# Altium PCB MB1292.PcbDoc (part 1 of 4) (continued)
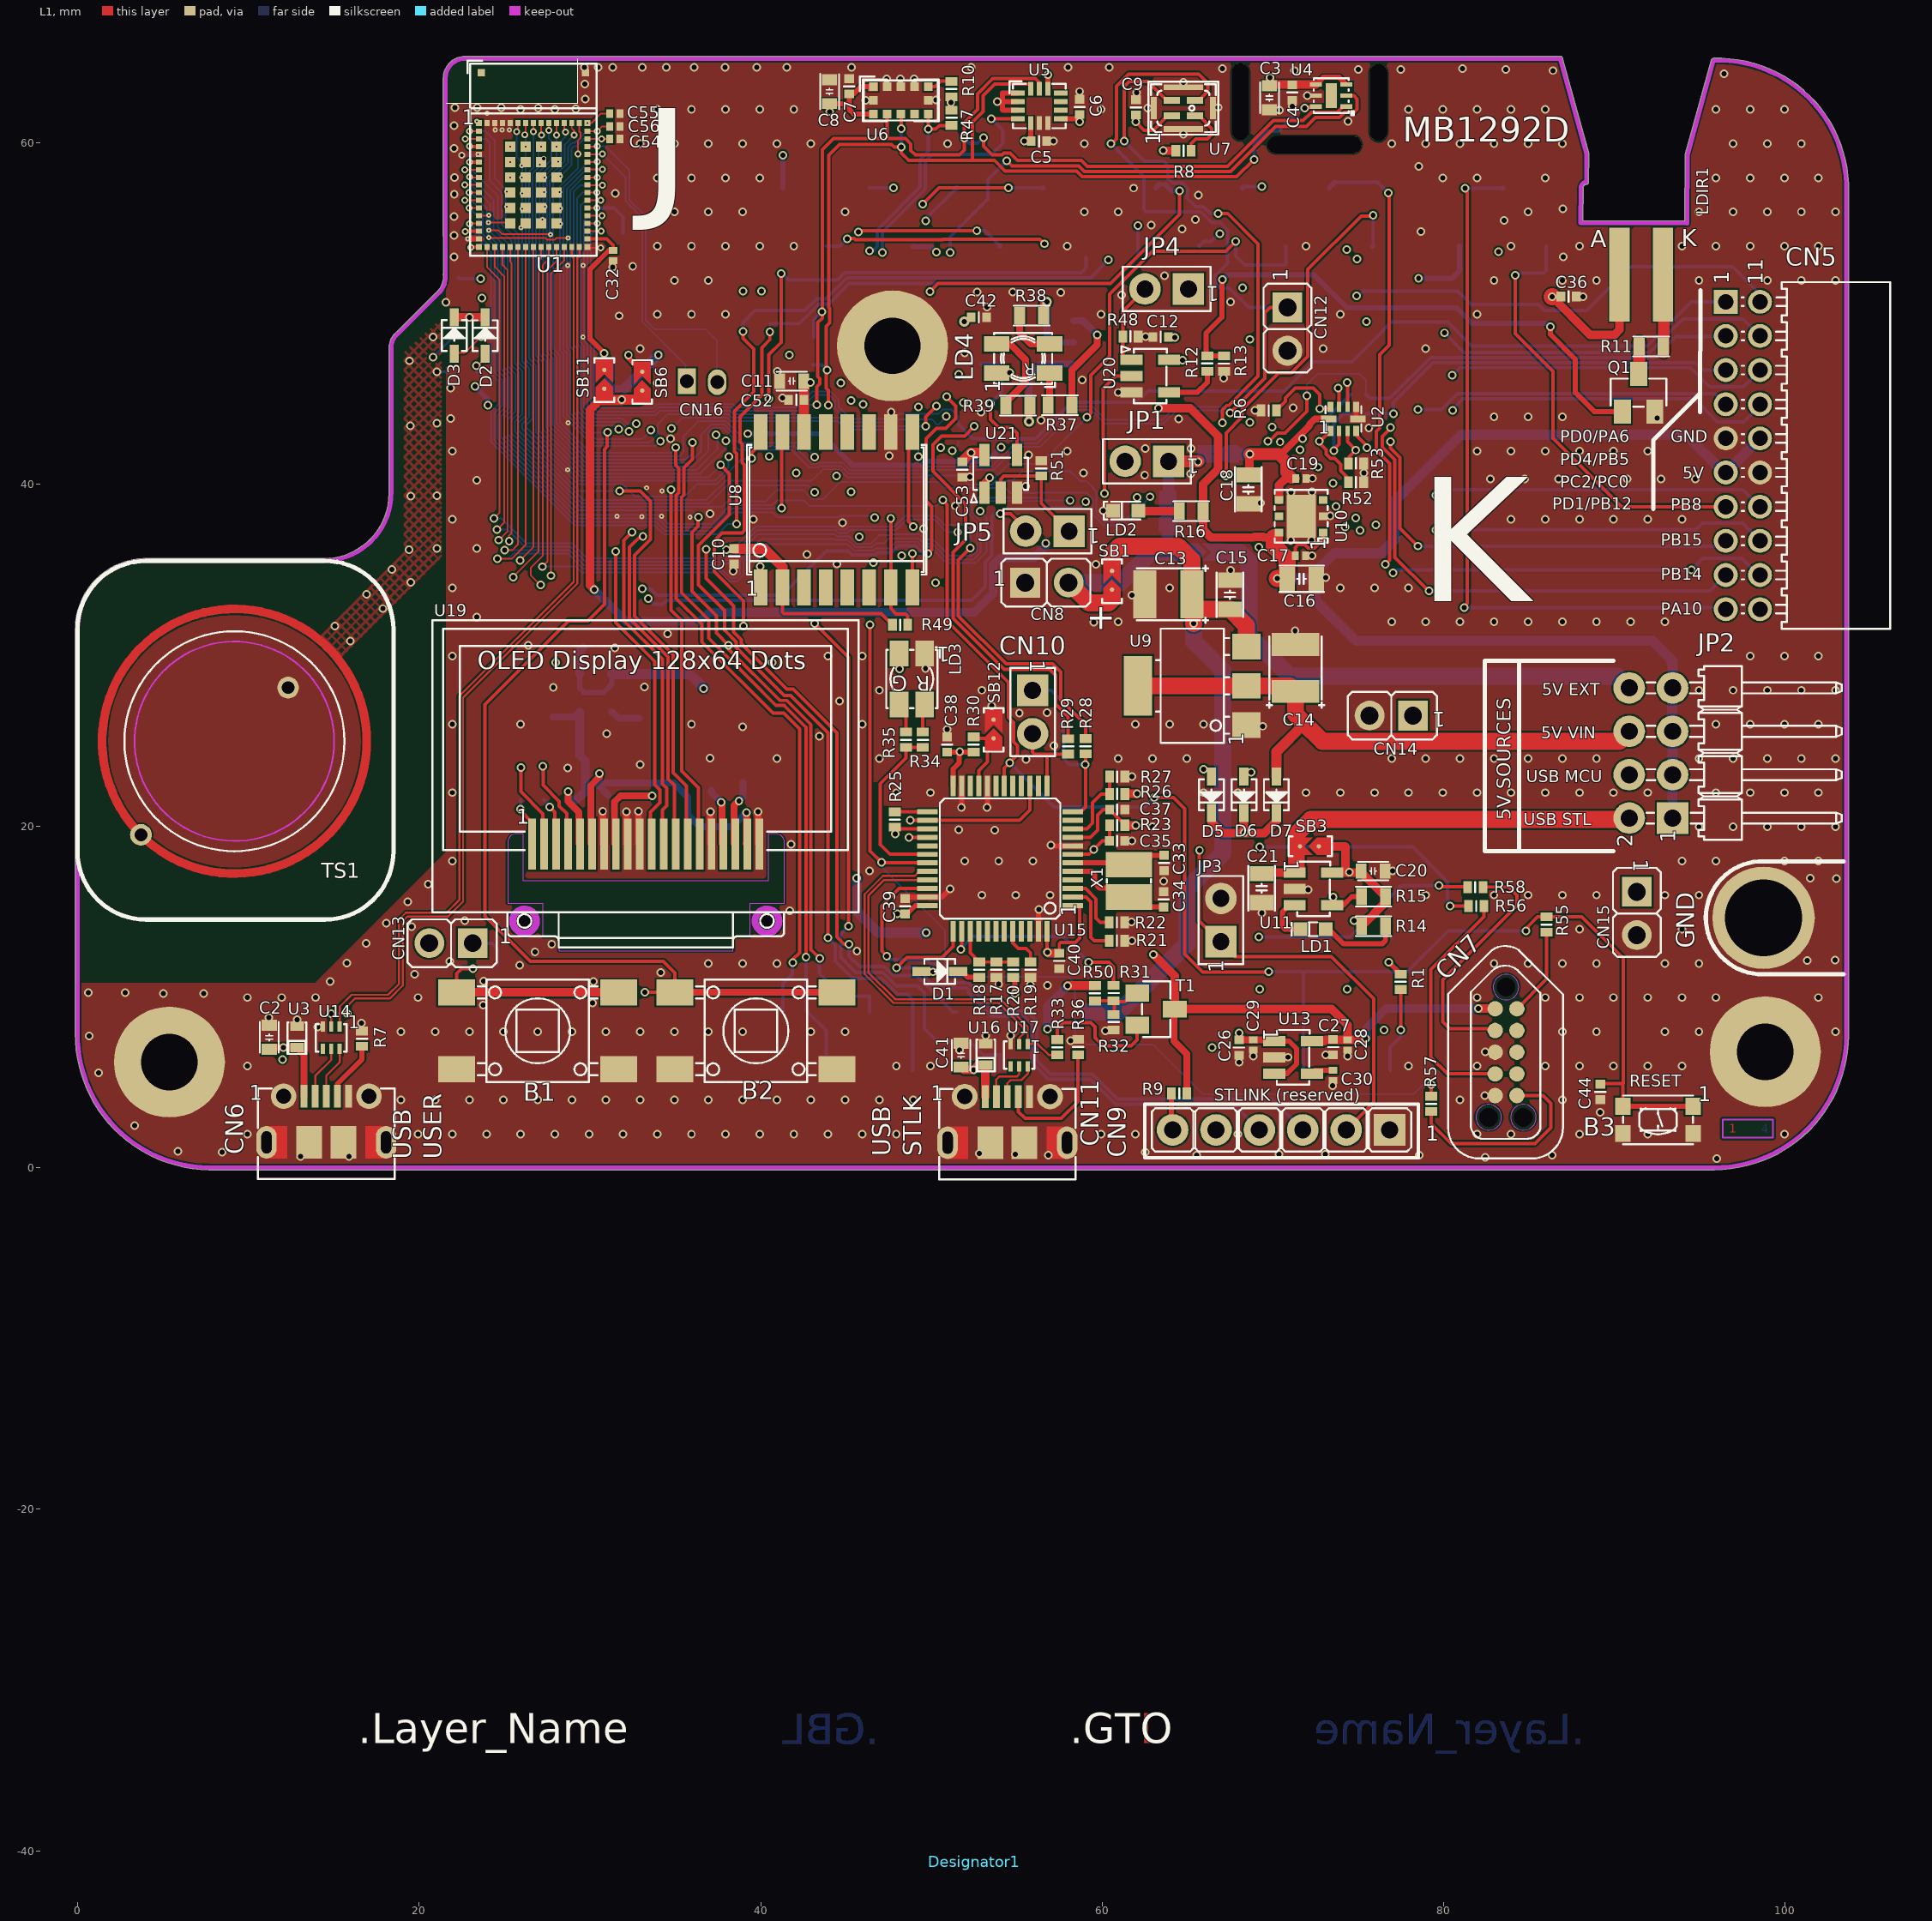
[diagram p0: L1 view]
## Components (designator, comment, footprint, x,y, rotation, side; value= is the part's Value field where it differs from the comment) (continued)
R50 "Resistor" R0402 59.575,10.204 r90 top value=10K
R51 "Resistor" R0402 56.432,40.942 r270 top value=10K
R52 "Resistor" R0402 74.865,40.133 r180 top value=10K
R53 "Resistor" R0402 74.865,41.23 r180 top value=10K
R54 "Resistor" R0402 25.036,11.874 r180 bottom value=10K
R55 "Resistor" R0402 86.023,14.23 r90 top value=22R
R56 "Resistor" R0402 81.904,15.317 r180 top value=22R
R57 "Resistor" R0402 79.269,3.73 r270 top value=22R
R58 "Resistor" R0402 81.847,16.416 r180 top value=22R
SB1 "SB_OFF" SOLDER-BRIDGE_R0603-0R#1 60.575,34.337 r90 top
SB2 "SB_ON" SOLDER-BRIDGE_R0603-0R#1 66.801,41.786 r180 bottom
SB3 "SB_OFF" SOLDER-BRIDGE_R0603-0R#1 72.184,18.81 r180 top
SB4 "SB_OFF" SOLDER-BRIDGE_R0603-0R#1 66.016,36.03 r0 bottom
SB5 "SB_OFF" SOLDER-BRIDGE_R0603-0R#1 63.847,38.412 r90 bottom
SB6 "SB_ON" SOLDER-BRIDGE_R0603-0R#1 33.068,45.998 r90 top
SB10 "SB_OFF" SOLDER-BRIDGE_R0603-0R#1 30.937,46.213 r90 bottom
SB11 "SB_ON" SOLDER-BRIDGE_R0603-0R#1 30.846,46.104 r90 top
SB12 "SB_OFF" SOLDER-BRIDGE_R0603-0R#2 53.641,25.626 r90 top
T1 "9013-SOT23" NPN_SOT23 63.155,9.278 r270 top value="NPN SOT23"
TS1 "TS_PAD" TSB_TOUCH-SENSING-BUTTON_TS-PAD-10_SHIELD-14_2 9.188,24.963 r45 top
U1 "STM32WB5MMGH6TR" MOD_DORY_STM_86P_7P3X11_H1P342_Ref2 26.69,59.083 r0 top locked
U2 "TMUX136" ICC_UQFN10_RSE_R-PUQFN-N10_1P5X2_P050 74.125,43.84 r90 top
U3 "ESD-TRANSIL" ESD_QFN2_1P6X1_P125 12.848,7.651 r90 top value=ESDA7P60-1U1M
U4 "STTS22H" ICC_UDFN6-EPAD_2X2_P065 73.413,62.767 r90 top
U5 "ISM330DHCX" ICC_LGA14_3X2P5_P050 56.318,62.159 r0 top
U6 "VL53L0CXV0DH/1" OPT_TOF_ST_VL53L0X_LGA12_4P4X2P4_P080 48.207,62.488 r0 top
U7 "IMP34DT05TR" MIC_HCLGA_3X4X1_4LD 64.752,62.032 r270 top
U8 "S25FL128SDSMFV001" ICC_SOIC16_10P30X7P50_P127_H2P65 44.446,38.521 r0 top
U9 "LD1117S50TR" REG_SOT223-TAB 65.275,28.208 r90 top
U10 "LD39050PU33R" ICC_DFN6-EPAD_3X3_P095 71.651,38.14 r90 top
U11 "STMPS2141STR" MOS_SOT23-5L 72.37,16.321 r270 top
U12 "LP2985IM5-3.6/NOPB" REG_SOT23-5L 30.349,27.793 r0 bottom
U13 "LD3985M33R" REG_SOT23-5L 71.178,6.458 r270 top
U14 "ECMF02-2AMX6" ESD_QFN-6L_1P7X1P5_P050 14.855,7.6 r180 top
U15 "STM32F103CBT6" ICC_LQFP48_7X7_P050 54.022,18.091 r90 top
U16 "ESD-TRANSIL" ESD_QFN2_1P6X1_P125 53.184,6.635 r90 top value=ESDA7P60-1U1M
U17 "ECMF02-2AMX6" ESD_QFN-6L_1P7X1P5_P050 55.139,6.584 r180 top
U18 "TLC59731" ICC_SOIC8_3P91X4P90_P127_H1P75 55.624,47.682 r180 bottom value=TLC59731DR
U19 "OLED_RITDISPLAY_9OL9935718000" OLED_RITDISPLAY_9OL9935718000 26.175,14.439 r0 top value=9OL9935718000
U20 "SN74AHC1G08DBVT" ICC_SOT23-5L_H1P45 62.811,46.347 r270 top
U21 "SN74AHC1G08DBVT" ICC_SOT23-5L_H1P45 54.052,40.623 r0 top
X1 "XTAL_2_PINS" CRY_NX3225GD_2P 61.566,16.785 r90 top value="NX3225GD 8MHz"

## Footprints (in the part's own frame and the unit in brackets; to place one, negate y for a bottom-side part, rotate by r counter-clockwise, add the part's x,y. Pads: shape width x height; smd on the part's side, far side on the other; paste and mask are expansions set on the pad)
C0201_H0P3 [mm] "MCD-00699"
  rect 0.4x0.5 smd mask+0.05: 1(-0.3,0) 2(0.3,0)
  body extent -0.32,-0.17 0.32,0.17, height 0.33
C0402 [mm]
  rect 0.51x0.56 smd mask+0.05: 1(-0.45,0) 2(0.45,0)
  silkscreen extent 0,-0.3 0,0.3, body extent -0.5,-0.3 0.5,0.3, height 0.4
C0603 [mm]
  rect 0.64x0.89 smd mask+0.05: 1(-0.7,0) 2(0.7,0)
  silkscreen extent -1.05,-0.55 1.02,0.55, body extent -0.9,-0.5 0.9,0.5, height 1.4
C0603_H0P8 [mm] "MCD-01540"
  rect 0.64x0.89 smd mask+0.05: 1(-0.7,0) 2(0.7,0)
  silkscreen extent -0.9,-0.55 0.9,0.55, body extent -0.9,-0.5 0.9,0.5, height 1
C0805_H0P85 [mm] "MCD-01525"
  rect 0.9x1.4 smd mask+0.05: 1(-0.85,0) 2(0.85,0)
  silkscreen extent -1.3,-0.77 1.3,0.77, body extent -1.1,-0.73 1.1,0.73, height 0.95
C0805_KEMET_IPC-7351_DENSITY-LEVEL-B_H1P25 [mm] "MCD-02040"
  rect 1.15x1.45 smd mask+0.05: 1(-0.9,0) 2(0.9,0)
  silkscreen extent -1.1,-0.85 1.1,0.85, body extent -1,-0.63 1,0.63, height 1.4
C1206_H1P6 [mm]
  rect 1.4x1.78 smd mask+0.05: 1(-1.4,0) 2(1.4,0)
  silkscreen extent -2.12,-0.97 2.15,0.97, body extent -1.7,-0.9 1.7,0.9, height 1.8
CON_LYCONN_313102S141346 [mm] "MCD-01668"
  rect 1.75x1.75 hole 1.05 mask+0.05: 1(-1.27,0)
  round 1.75 hole 1.05 mask+0.05: 2(1.27,0)
  silkscreen extent -2.67,-1.4 2.54,1.4, body extent -2.67,-1.4 2.54,1.4, height 8.38
CON_SAMTEC_SQT-110-01-F-D-RA__STMOD+ [mm] "SQT-110-01-F-D-RA (connecteur SAMTEC pour interface STMod+ femelle coté Host) Pinning adapté non conforme SAMTEC."
  rect 1.4x1.4 hole 0.9 mask+0.05: 1(9,1)
  round 1.4 hole 0.9 mask+0.05: 2(7,1) 3(5,1) 4(3,1) 5(1,1) 6(-1,1) 7(-3,1) 8(-5,1) 9(-7,1) 10(-9,1) 11(9,-1) 12(7,-1) 13(5,-1) 14(3,-1) 15(1,-1) 16(-1,-1) 17(-3,-1) 18(-5,-1) 19(-7,-1) 20(-9,-1)
  silkscreen extent -10.15,-8.62 10.15,0.07, body extent -10.15,-8.65 10.15,1.22, height 4
CON_SAMTEC_SSW-106-22-X-S-VS [mil]
  rect 40x95 smd mask+1.97: 1(250,67.5) 2(150,-67.5) 3(50,67.5) 4(-50,-67.5) 5(-150,67.5) 6(-250,-67.5)
  silkscreen extent -310,-48 310,48, body extent -310,-101 310,102, height 385
CON_SAMTEC_SSW-108-22-X-S-VS [mil]
  rect 40x95 smd mask+1.97: 1(350,67.5) 2(250,-67.5) 3(150,67.5) 4(50,-67.5) 5(-50,67.5) 6(-150,-67.5) 7(-250,67.48) 8(-350,-67.48)
  silkscreen extent -410,-48 410,48, body extent -410,-101 410,102, height 385
CON_SAMTEC_SSW-110-22-X-S-VS [mil]
  rect 40x95 smd mask+1.97: 1(450,67.5) 2(350,-67.5) 3(250,67.5) 4(150,-67.5) 5(50,67.5) 6(-50,-67.5) 7(-150,67.48) 8(-250,-67.48) 9(-350,67.48) 10(-450,-67.48)
  silkscreen extent -510,-48 510,48, body extent -510,-101 510,102, height 385
CON_SAMTEC_TSW-102-07-G-S#1 [mm]
  rect 1.85x1.85 / inner round 1.85 / far side rect 1.85x1.85 hole 1 mask+0.05: 1(-1.27,0)
  round 1.85 hole 1 mask+0.05: 2(1.27,0)
  silkscreen extent -2.58,-1.3 2.58,1.3, body extent -2.67,-1.3 2.58,1.3, height 8.38
CON_SAMTEC_TSW-102-07-G-S#2 [mm]
  rect 1.85x1.85 hole 1 mask+0.05: 1(-1.27,0)
  round 1.85 hole 1 mask+0.05: 2(1.27,0)
  silkscreen extent -2.58,-1.3 2.58,1.3, body extent -2.67,-1.3 2.58,1.3, height 8.38
CON_SAMTEC_TSW-104-08-F-D-RA [mm] "MCD-02037"
  rect 1.85x1.85 / inner round 1.85 / far side rect 1.85x1.85 hole 1 mask+0.05: 1(-3.81,-1.27)
  round 1.85 hole 1 mask+0.05: 2(-3.81,1.27) 3(-1.27,-1.27) 4(-1.27,1.27) 5(1.27,-1.27) 6(1.27,1.27) 7(3.81,-1.27) 8(3.81,1.27)
  silkscreen extent -5.08,-11.17 5.08,0.26, body extent -5.08,-11.18 5.08,1.59, height 5.56
CON_SAMTEC_TSW-106-14-G-S [mm] "MCD-01592"
  rect 1.85x1.85 / inner round 1.85 / far side rect 1.85x1.85 hole 1 mask+0.05: 1(-6.35,0)
  round 1.85 hole 1 mask+0.05: 2(-3.81,0) 3(-1.27,0) 4(1.27,0) 5(3.81,0) 6(6.35,0)
  silkscreen extent -7.62,-1.27 7.56,1.27, body extent -7.75,-1.27 7.62,1.27, height 10.67
CON_TAG-C_TC2050-IDC-NL [mm]
  round 0.9 smd paste+0 mask+0.05: 1(-2.54,-0.635) 2(-1.27,-0.635) 3(0,-0.635) 4(1.27,-0.635) 5(2.54,-0.635) 6(2.54,0.635) 7(1.27,0.635) 8(0,0.635) 9(-1.27,0.635) 10(-2.54,0.635)
  round 0 hole 1.1 unplated mask+0.05: 11(-3.81,0) 12(3.81,-1.015) 13(3.81,1.015)
  Multi-Layer keep-out circle w0.01: c3.81,-1.015 r0.75
  Multi-Layer keep-out circle w0.01: c3.81,1.015 r0.75
  Multi-Layer keep-out circle w0.01: c-3.81,0 r0.75
  silkscreen extent -6.22,-3.4 6.22,3.33, body extent -6.28,-3.46 6.28,3.39, height 13
CON_USBMICROB_MOLEX_105017-0001_H2P90 [mm]
  rect 0.4x1.35 smd mask+0.05: 1(-1.3,4.15) 2(-0.65,4.15) 3(0,4.15) 4(0.65,4.15) 5(1.3,4.15)
  round 1.5 hole 0.9 mask+0.05: 6(-2.5,4.15) 7(2.5,4.15)
  oval 1.2x1.9 hole 0.6 slot 1.3 at 90 deg mask+0.05: 8(3.5,1.45) 9(-3.5,1.45)
  rect 1.5x1.9 smd mask+0.05: 10(-1,1.45) 11(1,1.45)
  L1 region: -3.5,2.4 -2.3,2.4 -2.3,0.5 -3.5,0.5 -3.5,2.4
  L1 region: 2.3,2.4 3.5,2.4 3.5,0.5 2.3,0.5 2.3,2.4
  silkscreen extent -4,-0.7 4,4.6, body extent -4.1,-1.15 4.1,4.66, height 2.9
CON_WP_707-2-02-2-20-00 [mm]
  rect 1.07x1.5 hole 0.8 mask+0.05: 1(-1.108,0.473)
  oval 1.07x1.5 hole 0.8 mask+0.05: 2(0.665,0.421)
  body extent -0.83,-0.7 0.83,0.2, height 1.25
CPOL_TAJ-A_1206_H180 [mm]
  rect 1.45x1.6 smd mask+0.05: 1(-1.175,0) 2(1.175,0)
  silkscreen extent -2.15,-1.05 1.7,1.05, body extent -1.7,-0.9 1.7,0.9, height 1.8
CPOL_TAJ-B_1210_H210 [mm]
  rect 1.35x2.8 smd mask+0.05: 1(-1.375,0) 2(1.375,0)
  silkscreen extent -2.33,-1.68 1.85,1.68, body extent -1.85,-1.5 1.85,1.5, height 2.11
CRY_NX3225GD_2P [mm]
  rect 1.5x2.7 smd mask+0.05: 1(-0.95,0) 2(0.95,0)
  silkscreen extent -0.1,-1.3 0.1,1.3, body extent -1.65,-1.3 1.65,1.3, height 1
DIO_SOD323 [mm]
  rect 1.06x0.54 smd mask+0.05: 1(-1.07,0) 2(1.07,0)
  silkscreen extent -0.9,-0.72 0.9,0.72, body extent -1.3,-0.78 1.3,0.78, height 1.17
DIO_SOD323_1K_2A [mm] "MCD-01530"
  rect 1.06x0.54 smd mask+0.05: 1(1.07,0) 2(-1.07,0)
  silkscreen extent -0.9,-0.72 0.9,0.72, body extent -1.3,-0.78 1.3,0.78, height 1.2
ESD_QFN2_1P6X1_P125 [mm]
  rect 0.55x0.8 smd mask+0.05: 1(-0.625,0) 2(0.625,0)
  silkscreen extent -1,-0.55 0.85,0.55, body extent -0.85,-0.55 0.85,0.55, height 0.61
ESD_QFN-6L_1P7X1P5_P050 [mm]
  rect 0.25x0.6 smd mask+0.05: 1(-0.5,-0.65) 2(0,-0.65) 3(0.5,-0.65) 4(0.5,0.65) 5(0,0.65) 6(-0.5,0.65)
  silkscreen extent -0.9,-0.8 0.9,0.8, body extent -0.9,-0.8 0.9,0.8, height 0.56
ICC_DFN6-EPAD_3X3_P095 [mm]
  rect 0.45x0.5 smd mask+0.05: 1(-0.95,-1.3) 2(0,-1.3) 3(0.95,-1.3) 4(0.95,1.3) 5(0,1.3) 6(-0.95,1.3)
  rect 2.5x1.7 smd mask+0.05: EP(0,0)
  silkscreen extent -1.55,-1.55 1.55,1.55, body extent -1.55,-1.55 1.55,1.55, height 1
ICC_LGA14_3X2P5_P050 [mm] "MCD-01387"
  rect 0.8x0.3 smd mask+0.05: 1(-1.25,0.75) 2(-1.25,0.25) 3(-1.25,-0.25) 4(-1.25,-0.75) 8(1.25,-0.75) 9(1.25,-0.25) 10(1.25,0.25) 11(1.25,0.75)
  rect 0.3x0.8 smd mask+0.05: 5(-0.5,-1) 6(0,-1) 7(0.5,-1) 12(0.5,1) 13(0,1) 14(-0.5,1)
  silkscreen extent -1.75,-1.3 1.55,1.45, body extent -1.55,-1.3 1.55,1.3, height 0.86
ICC_LQFP48_7X7_P050 [mm]
  rect 0.3x1.2 smd mask+0.05: 1(-2.75,-4.25) 2(-2.25,-4.25) 3(-1.75,-4.25) 4(-1.25,-4.25) 5(-0.75,-4.25) 6(-0.25,-4.25) 7(0.25,-4.25) 8(0.75,-4.25) 9(1.25,-4.25) 10(1.75,-4.25) 11(2.25,-4.25) 12(2.75,-4.25) 25(2.75,4.25) 26(2.25,4.25) 27(1.75,4.25) 28(1.25,4.25) 29(0.75,4.25) 30(0.25,4.25) 31(-0.25,4.25) 32(-0.75,4.25) 33(-1.25,4.25) 34(-1.75,4.25) 35(-2.25,4.25) 36(-2.75,4.25)
  rect 1.2x0.3 smd mask+0.05: 13(4.25,-2.75) 14(4.25,-2.25) 15(4.25,-1.75) 16(4.25,-1.25) 17(4.25,-0.75) 18(4.25,-0.25) 19(4.25,0.25) 20(4.25,0.75) 21(4.25,1.25) 22(4.25,1.75) 23(4.25,2.25) 24(4.25,2.75) 37(-4.25,2.75) 38(-4.25,2.25) 39(-4.25,1.75) 40(-4.25,1.25) 41(-4.25,0.75) 42(-4.25,0.25) 43(-4.25,-0.25) 44(-4.25,-0.75) 45(-4.25,-1.25) 46(-4.25,-1.75) 47(-4.25,-2.25) 48(-4.25,-2.75)
  silkscreen extent -3.52,-3.52 3.52,3.52, body extent -4.5,-4.5 4.5,4.5, height 1.6
ICC_SOIC8_3P91X4P90_P127_H1P75 [mm] "MCD-02005"
  rect 1.55x0.6 smd mask+0.05: 1(-2.7,1.905) 2(-2.7,0.635) 3(-2.7,-0.635) 4(-2.7,-1.905) 5(2.7,-1.905) 6(2.7,-0.635) 7(2.7,0.635) 8(2.7,1.905)
  silkscreen extent -2,-2.5 2,2.5, body extent -3,-2.5 3,2.5, height 1.75
ICC_SOIC16_10P30X7P50_P127_H2P65 [mm] "MCD-02008"
  rect 0.8x2.1 smd mask+0.05: 1(-4.445,-4.55) 2(-3.175,-4.55) 3(-1.905,-4.55) 4(-0.635,-4.55) 5(0.635,-4.55) 6(1.905,-4.55) 7(3.175,-4.55) 8(4.445,-4.55) 9(4.445,4.55) 10(3.175,4.55) 11(1.905,4.55) 12(0.635,4.55) 13(-0.635,4.55) 14(-1.905,4.55) 15(-3.175,4.55) 16(-4.445,4.55)
  silkscreen extent -5.25,-3.8 5.25,3.8, body extent -5.25,-5.35 5.25,5.35, height 2.66
ICC_SOT23-5L_H1P45 [mm]
  rect 0.6x1.3 smd mask+0.05: 1(-0.95,-1.1) 2(0,-1.1) 3(0.95,-1.1) 4(0.95,1.1) 5(-0.95,1.1)
  silkscreen extent -1.75,-1.68 1.6,0.97, body extent -1.52,-1.25 1.52,1.25, height 1.45
ICC_UDFN6-EPAD_2X2_P065 [mm] "MCD-02159"
  rect 0.27x0.7 smd mask+0.05: 1(-0.65,-0.89) 2(0,-0.89) 3(0.65,-0.89) 4(0.65,0.89) 5(0,0.89) 6(-0.65,0.89)
  rect 1.45x0.65 smd mask+0.05: 7(0,0)
  silkscreen extent -1.15,-1.33 1.02,1.02, body extent -1.03,-1.03 1.02,1.02, height 0.56
ICC_UQFN10_RSE_R-PUQFN-N10_1P5X2_P050 [mm] "MCD-01847"
  rect 0.6x0.35 smd mask+0.05: 1(-0.7,0.75) 4(-0.7,-0.75) 6(0.7,-0.75) 9(0.7,0.75)
  rect 0.6x0.25 smd mask+0.05: 2(-0.7,0.25) 3(-0.7,-0.25) 7(0.7,-0.25) 8(0.7,0.25)
  rect 0.4x0.9 smd mask+0.05: 5(0,-0.85) 10(0,0.85)
  silkscreen extent -0.75,-1.05 0.75,1.05, body extent -0.75,-1 0.75,1, height 0.6
LED_0603_OSRAM_LG-Q396-PS-35_GREEN_1A2K_H0P4 [mm]
  rect 0.8x0.8 smd mask+0.05: 1(-0.75,0) 2(0.75,0)
  silkscreen extent -0.85,-0.53 1.28,0.53, body extent -0.85,-0.45 0.85,0.45, height 0.6
LED_0603_RED_H0P4 [mm]
  rect 0.8x0.8 smd mask+0.05: 1(-0.75,0) 2(0.75,0)
  silkscreen extent -0.25,-0.4 1.25,0.4, body extent -0.8,-0.4 0.79,0.4, height 0.4
LED_BI-GR_HSMF-A201-A00J1 [mm] "MCD-00051"
  rect 1.1x1.5 smd mask+0.05: 1(-0.75,-1.5) 2(-0.75,1.5) 3(0.75,1.5) 4(0.75,-1.5)
  silkscreen extent -1.65,-1.85 1.5,1.7, body extent -1.5,-1.85 1.5,1.85, height 2.1
LED_INFRARED_VISHAY_TSHF5210_IN-MODE-SMT_BOARD-EDGE_1A2K_P254 [mm] "MCD-02137"
  rect 1.2x5.5 smd paste-0.05 mask-0.05: 1(-1.27,-7) 2(1.27,-7)
  body extent -3.03,-9.41 2.47,6.04, height 3
LED_TRI-RGB_WURTH_150141M173100 [mm] "MCD-02035"
  rect 1.5x0.9 smd mask+0.05: 1(1.55,0.85) 2(1.55,-0.85) 3(-1.55,0.85) 4(-1.55,-0.85)
  silkscreen extent -1.88,-1.5 1.7,1.68, body extent -1.75,-1.5 1.75,1.5, height 2.1
MIC_HCLGA_3X4X1_4LD [mm]
  rect 0.4x0.95 smd paste+0 mask+0.05: 1(0.45,-0.675) 2(0.45,0.675) 3(-0.45,0.675) 4(-0.45,-0.675)
  rect 1.3x0.35 smd paste+0 mask+0.05: 5(0,-1.725) 6(0,1.725)
  rect 0.35x2.3 smd paste+0 mask+0.05: 7(1.225,0) 8(-1.225,0)
  silkscreen extent -1.55,-2.05 1.55,2.05, body extent -1.45,-1.95 1.45,1.95, height 1.03
MOD_DORY_STM_86P_7P3X11_H1P342_Ref2 [mm] "MCD-01965"
  rect 0.35x0.35 smd mask+0.038: 1(-3.175,2.075) 17(-3.175,-5.175) 31(3.175,-5.175) 47(3.175,2.075)
  rect 0.35x0.3 smd mask+0.038: 2(-3.175,1.6) 3(-3.175,1.15) 4(-3.175,0.7) 5(-3.175,0.25) 6(-3.175,-0.2) 7(-3.175,-0.65) 8(-3.175,-1.1) 9(-3.175,-1.55) 10(-3.175,-2) 11(-3.175,-2.45) 12(-3.175,-2.9) 13(-3.175,-3.35) 14(-3.175,-3.8) 15(-3.175,-4.25) 16(-3.175,-4.7) 32(3.175,-4.7) 33(3.175,-4.25) 34(3.175,-3.8) 35(3.175,-3.35) 36(3.175,-2.9) 37(3.175,-2.45) 38(3.175,-2) 39(3.175,-1.55) 40(3.175,-1.1) 41(3.175,-0.65) 42(3.175,-0.2) 43(3.175,0.25) 44(3.175,0.7) 45(3.175,1.15) 46(3.175,1.6)
  rect 0.3x0.35 smd mask+0.038: 18(-2.7,-5.175) 19(-2.25,-5.175) 20(-1.8,-5.175) 21(-1.35,-5.175) 22(-0.9,-5.175) 23(-0.45,-5.175) 24(0,-5.175) 25(0.45,-5.175) 26(0.9,-5.175) 27(1.35,-5.175) 28(1.8,-5.175) 29(2.25,-5.175) 30(2.7,-5.175) 48(2.7,2.075) 49(2.25,2.075) 50(1.8,2.075) 51(1.35,2.075) 52(0.9,2.075) 53(0.45,2.075) 54(0,2.075) 55(-0.45,2.075) 56(-0.9,2.075) 57(-1.35,2.075) 58(-1.8,2.075) 59(-2.25,2.075) 60(-2.7,2.075)
  rect 0.6x0.6 smd mask+0.038: 61(-1.35,0.7) 62(-1.35,-0.2) 63(-1.35,-1.1) 64(-1.35,-2) 65(-1.35,-2.9) 66(-1.35,-3.8) 67(-0.45,-3.8) 68(0.45,-3.8) 69(1.35,-3.8) 70(1.35,-2.9) 71(1.35,-2) 72(1.35,-1.1) 73(1.35,-0.2) 74(1.35,0.7) 75(0.45,0.7) 76(-0.45,0.7) 77(-0.45,-0.2) 78(-0.45,-1.1) 79(-0.45,-2) 80(-0.45,-2.9) 81(0.45,-2.9) 82(0.45,-2) 83(0.45,-1.1) 84(0.45,-0.2)
  rect 0.43x0.43 smd mask+0.05: 85(-3.05,5.035) 86(3.05,5.035)
  silkscreen extent -3.85,-5.69 3.7,5.72, body extent -3.7,-5.62 3.7,5.55, height 1.41
MOS_SOT23-5L [mm]
  rect 0.6x1.3 smd mask+0.05: 1(-0.95,-1.1) 2(0,-1.1) 3(0.95,-1.1) 4(0.95,1.1) 5(-0.95,1.1)
  silkscreen extent -1.6,-0.95 1.6,0.97, body extent -1.52,-1.25 1.52,1.25, height 1.45
NPN_SOT23 [mm]
  rect 1x1.4 smd mask+0.05: 1(-0.95,-1.1) 2(0.95,-1.1) 3(0,1.1)
  silkscreen extent -1.63,-0.82 1.63,0.82, body extent -1.56,-1.25 1.56,1.25, height 1.1
OLED_RITDISPLAY_9OL9935718000 [mm] "OLED, 20-Leads, Body 13.86x23.74mm, Pitch 0.70mm"
  rect 0.45x3 smd mask+0.051: 1(0.45,4.5) 2(1.15,4.5) 3(1.85,4.5) 4(2.55,4.5) 5(3.25,4.5) 6(3.95,4.5) 7(4.65,4.5) 8(5.35,4.5) 9(6.05,4.5) 10(6.75,4.5) 11(7.45,4.5) 12(8.15,4.5) 13(8.85,4.5) 14(9.55,4.5) 15(10.25,4.5) 16(10.95,4.5) 17(11.65,4.5) 18(12.35,4.5) 19(13.05,4.5) 20(13.75,4.5)
  round 0.5 hole 0.8 unplated: H1(0,0) H1(14.2,0)
  L1 keep-out region: -0.984,1.05 1.05,1.05 1.05,-0.903 2.016,-0.903 2.016,-1.75 12.216,-1.75 12.216,-0.903 13.2,-0.903 13.2,1.05 15.216,1.05 15.216,4.597 15.216,4.697 15.14,4.88 14.999,5.021 14.815,5.097 14.716,5.097 14.275,5.097 14.275,2.35 -0.075,2.35 -0.075,5.097 -0.483,5.097 -0.582,5.098 -0.767,5.022 -0.908,4.881 -0.984,4.697 -0.984,4.597
  Keep-Out Layer circle w0.4: c14.2,0 r0.7
  Keep-Out Layer circle w0.4: c0,0 r0.7
  silkscreen extent -5.39,-1.54 19.56,17.61, body extent -5.38,-1.55 19.58,17.6, height 4.2
OPT_TOF_ST_VL53L0X_LGA12_4P4X2P4_P080 [mm] "MCD-01730"
  rect 0.5x0.5 smd mask+0.05: 1(-1.6,0.8) 2(-0.8,0.8) 3(0,0.8) 4(0.8,0.8) 5(1.6,0.8) 6(1.6,0) 7(1.6,-0.8) 8(0.8,-0.8) 9(0,-0.8) 10(-0.8,-0.8) 11(-1.6,-0.8) 12(-1.6,0)
  L1 region: -1.35,0.55 -1.93,0.55 -1.93,0.8 -1.85,0.8 -1.85,1.05 -1.35,1.05
  silkscreen extent -2.39,-1.22 2.22,1.4, body extent -2.22,-1.22 2.22,2, height 1.1
R0402 [mm]
  rect 0.51x0.7 smd mask+0.05: 1(-0.45,0) 2(0.45,0)
  silkscreen extent 0,-0.3 0,0.3, body extent -0.52,-0.3 0.52,0.3, height 0.4
R0603 [mm]
  rect 0.64x1 smd mask+0.05: 1(-0.7,0) 2(0.7,0)
  silkscreen extent -1.05,-0.58 1.05,0.58, body extent -0.9,-0.5 0.9,0.5, height 0.56
REG_SOT23-5L [mm]
  rect 0.6x1.3 smd mask+0.05: 1(-0.95,-1.1) 2(0,-1.1) 3(0.95,-1.1) 4(0.95,1.1) 5(-0.95,1.1)
  silkscreen extent -1.6,-0.95 1.6,0.97, body extent -1.52,-1.25 1.52,1.25, height 1.1
REG_SOT223-TAB [mm]
  rect 1.5x1.65 smd mask+0.05: 1(-2.3,-3.175) 2(0,-3.175) 3(2.3,-3.175)
  rect 3.5x1.65 smd mask+0.05: 4(0,3.175)
  silkscreen extent -3.35,-2.15 3.35,2.12, body extent -3.35,-3.48 3.35,3.48, height 1.8
Sheetbox_4L2S [mil] "Sheetbox 4 layers / 2 silkscreens"
  round 20 on Mech16: 1(813.78,210.69) 1(2736.9,210.69)
SOLDER-BRIDGE_R0603-0R#1 [mil]
  round 10 smd paste-393.7: 1(-19.68,0) 2(23.62,0)
  L1 region: -47.24,-19.68 -47.24,19.68 -15.75,19.68 3.94,0 -15.75,-19.68 -47.24,-19.68
  L1 region: -5.91,19.68 13.78,0 -5.91,-19.68 47.24,-19.68 47.24,19.68 -5.91,19.68
  silkscreen extent -50,-23 50,23, body extent -36,-20 36,20, height 22
SOLDER-BRIDGE_R0603-0R#2 [mil]
  round 10 smd paste-393.7 mask+4: 1(-19.69,0) 2(23.62,0)
  L1 region: -47.24,-19.68 -47.24,19.68 -15.75,19.68 3.94,0 -15.75,-19.68 -47.24,-19.68
  L1 region: -5.91,19.68 13.78,0 -5.91,-19.68 47.24,-19.68 47.24,19.68 -5.91,19.68
  silkscreen extent -50,-23 50,23, body extent -36,-20 36,20, height 22
STICKER_BOARD_25X9 [mm] "Sticker to mention board CPN code"
  silkscreen extent -12.5,-4.5 12.5,4.5
STICKER_PRODUCT_25X9 [mm] "Sticker to mention board CPN code"
  silkscreen extent -12.5,-4.5 12.5,4.5
SWI_C&K_KMR721NG-LFS [mm] "MCD-01510"
  rect 0.9x1 smd mask+0.05: 1(2.05,0.8) 2(2.05,-0.8) 3(-2.05,0.8) 4(-2.05,-0.8)
  silkscreen extent -2.05,-1.43 2.05,1.43, body extent -2.3,-1.5 2.3,1.5, height 2.5
SWI_WEALTHMETAL_TD-0341_4P_BLUE [mm]
  rect 1.52x2.16 smd mask+0.05: 1(-2.25,-4.75) 2(-2.25,4.75) 3(2.25,-4.75) 4(2.25,4.75)
  silkscreen extent -3,-3.5 3,3.5, body extent -3,-5.15 3,5.15, height 7.55
TSB_TOUCH-SENSING-BUTTON_TS-PAD-10_SHIELD-14_2 [mm]
  round 1.27 hole 0.75: 1(4.445,0) 2(-7.747,0)
  L1 circle w0.508: c0,0 r7.747
  L1 keep-out circle w0.102: c0,0 r5.842
  silkscreen extent -6.44,-6.44 6.44,6.44, body extent -6.44,-6.44 6.44,6.44, height 0.02

## Part data
B1 B2: library part MCD-00002, "Non-Open Push-Button 0.1A 24V", Manufacturer=WEALTHMETAL, Manufacturer_Part_Number=TD-0341, ComponentLink1URL=http://tunmcdsvn.tun.st.com/Component_Datasheet_Library/Trunk/Misc/Wealthmetal_Tact-Switch_TD0341, Internal_Part_Number=MCD-00002, Part_Preference=Recommended, Part_Type=Misc, Status=Released
B3: library part MCD-01510, "Microminiature SMT Top, 2N, N.O., IP67", Manufacturer=C&K, Manufacturer_Part_Number="KMR721NG LFS", Package=KMR7, ComponentLink1URL=http://tunmcdsvn.tun.st.com/Component_Datasheet_Library/Trunk/Misc/C&K_KMR7/kmr7.pdf, Internal_Part_Number=MCD-01510, Part_Preference=Recommended, Part_Type=Misc, Status=New
C1: library part MCD-02119, "Capacitor, MLCC, 100nF, 6V3, X5R, 10%, 0603, T=0,8mm", Alternate_Manufacturer=N/A, Manufacturer=KEMET, Manufacturer_Part_Number=C0603C104K9PACTU, Package=C0603, Alternate_Manufacturer_Part_Number=N/A, ComponentLink1URL=http://tunmcdsvn.tun.st.com/Component_Datasheet_Library/Trunk/Capacitors/KEMET_Capacitor_X5R-series/KEMET_Capacitor_C0603C104K9PACTU, Internal_Part_Number=MCD-02119, Order_Code_Digikey=N/A, Order_Code_Farnell=2941311, Order_Code_RS=N/A, Part_Preference=Recommended, Part_Type=Capacitor, Status=Checked
C2 C11 C41: library part MCD-01648, "Capacitor,MLCC,100pF 50V,NPO,+/-5%, 0603,T=0,8mm", Manufacturer=YAGEO, Manufacturer_Part_Number=CC0603JRNPO9BN101, Package=C0603, ComponentLink1URL=http://tunmcdsvn.tun.st.com/Component_Datasheet_Library/Trunk/Capacitors/Yageo_UPY-GP_NP0_16V-to-50V/YAGEO_NP0_UPY-GP_NP0_16V-to-50V_16.pdf, Internal_Part_Number=MCD-01648, Order_Code_Digikey=311-1069-1-ND, Order_Code_Farnell=722080, Order_Code_RS=625-0267, Part_Preference=Recommended, Part_Type=Capacitor, Status=Released
C3: library part MCD-01540, "Capacitor,MLCC, 2.2uF, 50V, X5R, +/-15%, 0603,T=0.8mm", Alternate_Manufacturer=N/A, Manufacturer=MURATA, Manufacturer_Part_Number=GRM188R61H225KE11, Package=C0603, Alternate_Manufacturer_Part_Number=N/A, ComponentLink1URL=http://tunmcdsvn.tun.st.com/Component_Datasheet_Library/Trunk/Capacitors/Murata_Capacitor_GR_series/GRM188R61H225KE11#.pdf, Internal_Part_Number=MCD-01540, Order_Code_Digikey=490-10733-1-ND, Order_Code_Farnell=2611925, Order_Code_RS=884-7289, Part_Preference=Recommended, Part_Type=Capacitor, Status=Checked
C4 C5 C6 C7 C9 C10 C12 C35 C36 C37 C38 C39 C40 C42 C44 C52 C53: library part MCD-00006, "Capacitor, MLCC, 100nF, 16V, X7R, +/-10%, 0402, T=0.5mm", Alternate_Manufacturer=MURATA, Alternate_Manufacturer_Part_Number=GCM155R71C104KA55D, Manufacturer=YAGEO, Manufacturer_Part_Number=CC0402KRX7R7BB104, Package=C0402, ComponentLink1URL=http://tunmcdsvn.tun.st.com/Component_Datasheet_Library/Trunk/Capacitors/Yageo_Multilayer_Capacitor_X7R_series_100pF_to_22uF, Internal_Part_Number=MCD-00006, Order_Code_Digikey=311-1338-1-ND, Order_Code_Farnell=9402047, Order_Code_RS=616-9701, Part_Preference=Recommended, Part_Type=Capacitor, Status=Released
C8: library part MCD-00009, "Capacitor, MLCC, 4.7uF, 16V, X5R, +/-10%, 0603, T=0.8mm", Manufacturer=YAGEO, Manufacturer_Part_Number=CC0603KRX5R7BB475, Package=C0603, ComponentLink1URL=http://tunmcdsvn.tun.st.com/Component_Datasheet_Library/Trunk/Capacitors/Yageo_Multilayer_capacitor_X5R_series_100pF_to_100uF, Internal_Part_Number=MCD-00009, Order_Code_Digikey=311-1785-1-ND, Order_Code_Farnell=N/A, Order_Code_RS=N/A, Part_Preference=Recommended, Part_Type=Capacitor, Status=Released
C13 C14: library part MCD-00324, "Capacitor, Tantalum, 10uF, 25V,2.5ohms, 10%, pkg Type_B (3528 metric), T=1.9mm", Manufacturer=AVX, Manufacturer_Part_Number=TAJB106K025RNJ, Package=Type_B, ComponentLink1URL=http://tunmcdsvn.tun.st.com/Component_Datasheet_Library/Trunk/Capacitors/AVX_Capacitor_TAJ-series, Internal_Part_Number=MCD-00324, Order_Code_Digikey=478-5257-1-ND, Order_Code_Farnell=2333024, Order_Code_RS=136-0159, Part_Preference=Recommended, Part_Type=Capacitor, Revision="July-2002: Re-released for DXP Platform.", Status=Released
C15 C21: library part MCD-01525, "Capacitor, MLCC, 100nF, 50V, X7R, 10%, 0805, T=0,85mm", Manufacturer=YAGEO, Manufacturer_Part_Number=CC0805KRX7R9BB104, Package=C0805, BMS_Part_Number=9142249, ComponentLink1URL=http://tunmcdsvn.tun.st.com/Component_Datasheet_Library/Trunk/Capacitors/Yageo_Multilayer_Capacitor_X7R_series_100pF_to_22uF/Yageo_Mutilayer_Capacitor_X7R_100pF_to_22uF.pdf, Internal_Part_Number=MCD-01525, Order_Code_Digikey=311-1140-1-ND, Order_Code_Farnell=3019949, Order_Code_RS=669-8842, Part_Preference=Recommended, Part_Type=Capacitor, Status=Released
C16 C18: library part MCD-01550, "Capacitor, MLCC, 1uF, 16V, X5R, +/-10%, 0805, T=0.85mm", Alternate_Manufacturer=N/A, Manufacturer=YAGEO, Manufacturer_Part_Number=CC0805KRX5R7BB105, Package=C0805, Alternate_Manufacturer_Part_Number=N/A, ComponentLink1URL=http://tunmcdsvn.tun.st.com/Component_Datasheet_Library/Trunk/Capacitors/Yageo_Multilayer_Capacitor_X7R_series_100pF_to_22uF/YAGEO_MLCC_UPY-GPHC_X7R_6.3V-to-50V_18.pdf, Internal_Part_Number=MCD-01550, Order_Code_Digikey=311-3427-1-ND, Order_Code_Farnell=N/A, Order_Code_RS=N/A, Part_Preference=Recommended, Part_Type=Capacitor, Status=Released
C17 C19 C25 C28 C29 C30 C31 C32: library part MCD-01535, "Capacitor, MLCC,100nF, 10V, X7R, +/-10%, 0201, T=0.3mm", Alternate_Manufacturer=N/A, Manufacturer=MURATA, Manufacturer_Part_Number=GRM033R61A104KE15, Package=C0201, Alternate_Manufacturer_Part_Number=N/A, ComponentLink1URL=http://tunmcdsvn.tun.st.com/Component_Datasheet_Library/Trunk/Capacitors/Murata_Capacitor_GR_series, Internal_Part_Number=MCD-01535, Order_Code_Digikey=490-5881-1-ND, Order_Code_Farnell=2470450, Order_Code_RS=790-2742, Part_Preference=Recommended, Part_Type=Capacitor, Status=Checked
C20: library part MCD-01721, "Capacitor, MLCC, 4.7uF, 10V, X5R, +/-10%, 0603, T=0.8mm", Manufacturer=YAGEO, Manufacturer_Part_Number=CC0603KRX5R6BB475, Package=C0603, ComponentLink1URL=http://tunmcdsvn.tun.st.com/Component_Datasheet_Library/Trunk/Capacitors/Yageo_Multilayer_capacitor_X5R_series_100pF_to_100uF/YAGEO_MLCC_UPY-GPHC_X5R_4V-to-50V_25.pdf, Internal_Part_Number=MCD-01721, Order_Code_Digikey=311-1455-1-ND, Order_Code_Farnell=1458898, Order_Code_RS=N/A, Part_Preference=Recommended, Part_Type=Capacitor, Status=Released
C22 C46 C47 C49 C50: library part MCD-00010, "Capacitor, MLCC, 1uF, 16V, X5R, +/-10%, 0603, T=0,8mm", Manufacturer=YAGEO, Manufacturer_Part_Number=CC0603KRX5R7BB105, Package=C0603, ComponentLink1URL=http://tunmcdsvn.tun.st.com/Component_Datasheet_Library/Trunk/Capacitors/Yageo_Multilayer_capacitor_X5R_series_100pF_to_100uF, Internal_Part_Number=MCD-00010, Order_Code_Digikey=311-1444-1-ND, Order_Code_Farnell=2370680, Order_Code_RS=N/A, Part_Preference=Recommended, Part_Type=Capacitor, Status=Released
C23: library part MCD-01007, "Capacitor, MLCC, 10nF, 16V, X7R, +/-10%, 0603, T=0.8mm", Manufacturer=YAGEO, Manufacturer_Part_Number=CC0603KRX7R7BB103, Package=C0603, ComponentLink1URL=http://tunmcdsvn.tun.st.com/Component_Datasheet_Library/Trunk/Capacitors/Yageo_Multilayer_Capacitor_X7R_series_100pF_to_22uF/, Internal_Part_Number=MCD-01007, Order_Code_Digikey=311-3369-1-ND, Order_Code_Farnell=N/A, Order_Code_RS=N/A, Part_Preference=Recommended, Part_Type=Capacitor, Status=Released
C24: library part MCD-00012, "Capacitor, MLCC, 2.2uF, 10V, X5R, +/- 10%, 0603, T=0,8mm", Alternate_Manufacturer=KEMET, Alternate_Manufacturer_Part_Number=C0603C225K8PACTU, Manufacturer=YAGEO, Manufacturer_Part_Number=CC0603KRX5R6BB225, Package=C0603, BMS_Part_Number=9142010, ComponentLink1URL=http://tunmcdsvn.tun.st.com/Component_Datasheet_Library/Trunk/Capacitors/Yageo_Multilayer_capacitor_X5R_series_100pF_to_100uF, Internal_Part_Number=MCD-00012, Order_Code_Digikey=311-1451-1-ND, Order_Code_Farnell=2370679, Order_Code_RS=N/A, Part_Preference=Recommended, Part_Type=Capacitor, Status=Released
C26 C27: library part MCD-01722, "Capacitor, MLCC, 1uF, 10V, X5R, +/-10%, 0402, T=0.5mm", Manufacturer=YAGEO, Manufacturer_Part_Number=CC0402KRX5R6BB105, Package=C0402, ComponentLink1URL=http://tunmcdsvn.tun.st.com/Component_Datasheet_Library/Trunk/Capacitors/Yageo_Multilayer_capacitor_X5R_series_100pF_to_100uF/Yageo_Multilayer_capacitor_X5R_100pF_to_100uF.pdf, Internal_Part_Number=MCD-01722, Order_Code_Digikey=311-1439-1-ND, Order_Code_Farnell=1458896, Order_Code_RS=N/A, Part_Preference=Recommended, Part_Type=Capacitor, Status=Released
C33 C34: library part MCD-00015, "Capacitor, MLCC, 10pF, 50V, NPO, +/-5%, 0402, T=0,5mm", Manufacturer=YAGEO, Manufacturer_Part_Number=CC0402JRNPO9BN100, Package=C0402, ComponentLink1URL=http://tunmcdsvn.tun.st.com/Component_Datasheet_Library/Trunk/Capacitors/Yageo_Capacitor_NP0_16V-to-50V, Internal_Part_Number=MCD-00015, Part_Preference=Recommended, Part_Type=Capacitor, Status=Released
C43: library part MCD-02039, "Capacitor, COG, 100nF, 25V , 1206, 5%", Alternate_Manufacturer=N/A, Manufacturer=KEMET, Manufacturer_Part_Number=C1206X104J3GACTU, Package=C1206, Alternate_Manufacturer_Part_Number=N/A, ComponentLink1URL=http://tunmcdsvn.tun.st.com/Component_Datasheet_Library/Trunk/Capacitors/KEMET_Capacitor_C0G-series, Internal_Part_Number=MCD-02039, Order_Code_Digikey=N/A, Order_Code_Farnell=2760643, Order_Code_RS=N/A, Part_Preference=Recommended, Part_Type=Capacitor, Status=Released
C45: library part MCD-02040, "Capacitor, MLCC, 47nF, 25V,COG, +/- 5%, 0805, T=1.25 mm", Manufacturer=KEMET, Manufacturer_Part_Number=C0805C473J3GACTU, Package=0805, Component_Country_Of_Origin=Mexico, ComponentLink1URL=http://tunmcdsvn.tun.st.com/Component_Documentation_Library/Trunk/Capacitor/KEMET_C0G_Series, ID=4140, Internal_Part_Number=MCD-02040, Order_Code_Digikey=N/A, Order_Code_Farnell=1535570, Order_Code_RS=N/A, Part_Preference=Recommended, Part_Type=Capacitor, ShowFields=YES, Status=Released
C48 C51: library part MCD-01043, "Capacitor, Tantalum, 4.7uF, 25V, 5.5ohms, 10%,pkg Type_A (3216 metric), T=1.6mm", Alternate_Manufacturer=N/A, Manufacturer=VISHAY, Manufacturer_Part_Number=293D475X9025A2TE3, Package=Type_A, Alternate_Manufacturer_Part_Number=N/A, ComponentLink1URL=http://tunmcdsvn.tun.st.com/Component_Datasheet_Library/Trunk/Capacitors/VISHAY_CAPACITOR_TANTALUM_293D, Internal_Part_Number=MCD-01043, Order_Code_Digikey=N/A, Order_Code_Farnell=2666694, Order_Code_RS=179-7472, Part_Preference=Recommended, Part_Type=Capacitor, Revision="July-2002: Re-released for DXP Platform.", Status=Checked
C54 C55 C56: library part MCD-02284, "Capacitor, MLCC, 3.3pF, 50V, NPO, +-0.05pF, 0201, T=0.3mm\".", Alternate_Manufacturer=N/A, Manufacturer=MURATA, Manufacturer_Part_Number=GRM0335C2A3R3WA01J, Package=C0201, Alternate_Manufacturer_Part_Number=N/A, ComponentLink1URL=http://tunmcdsvn.tun.st.com/Component_Datasheet_Library/Trunk/Capacitors/MURATA_Capacitor_GRM_series/MURATA_GRM_Datasheet.pdf, Internal_Part_Number=MCD-02284, Order_Code_Digikey=N/A, Order_Code_Farnell=N/A, Order_Code_RS=N/A, Part_Preference=Recommended, Part_Type=Capacitor, Status=Checked
CN1: library part MCD-00301, "Socket, 10x1, 2.54mm, VR, SMT, Height 9.78mm", Manufacturer=SAMTEC, Manufacturer_Part_Number=SSW-110-22-L-S-VS, ComponentLink1URL=http://tunmcdsvn.tun.st.com/Component_Datasheet_Library/Trunk/Connectors/Samtec_SSW_smt_series, Internal_Part_Number=MCD-00301, Part_Preference=Recommended, Part_Type=Connector, Status=Checked
CN2 CN4: library part MCD-00300, "Socket, 8x1, 2.54mm, VR, SMT, Height 9.78mm", Manufacturer=SAMTEC, Manufacturer_Part_Number=SSW-108-22-L-S-VS, ComponentLink1URL=http://tunmcdsvn.tun.st.com/Component_Datasheet_Library/Trunk/Connectors/Samtec_SSW_smt_series, Internal_Part_Number=MCD-00300, Part_Preference=Recommended, Part_Type=Connector, Status=Checked
CN3: library part MCD-00299, "Socket, 6x1, 2.54mm, VR, SMT, Height 9.78mm", Manufacturer=SAMTEC, Manufacturer_Part_Number=SSW-106-22-L-S-VS, ComponentLink1URL=http://tunmcdsvn.tun.st.com/Component_Datasheet_Library/Trunk/Connectors/Samtec_SSW_smt_series, Internal_Part_Number=MCD-00299, Part_Preference=Recommended, Part_Type=Connector, Status=Checked
CN5: library part MCD-00309, "Socket, 10x2, 2mm, RA, TH, T=6.35mm/2.29mm", Manufacturer=SAMTEC, Manufacturer_Part_Number=SQT-110-01-F-D-RA, Component_Country_Of_Origin="China, Costa Rica, Malaysia, United States, Vietnam", ComponentLink1URL=http://tunmcdsvn.tun.st.com/Component_Documentation_Library/Trunk/Connector/SAMTEC_SQT_Series/, Internal_Part_Number=MCD-00309, Order_Code_Digikey=SAM10734-ND, Order_Code_Farnell=2856563, Order_Code_RS=180-1541, Part_Preference=Recommended, Part_Type=Connector, Status=Released
CN6 CN11: library part MCD-00028, "USB-MICRO-B, 0.65mm, RA, SMT, Bottom Mount,", Manufacturer=MOLEX, Manufacturer_Part_Number=1050170001, ComponentLink1URL=http://tunmcdsvn.tun.st.com/Component_Datasheet_Library/Trunk/Connectors/Molex_Connector-USB-microB_105017-0001, Internal_Part_Number=MCD-00028, Part_Preference=Recommended, Part_Type=Connector, Status=Released
CN7: library part MCD-00031, "Tag_Connector Header, 10x2, No legs", Manufacturer="TAG-CONNECT LLC", Manufacturer_Part_Number=TC2050-IDC-NL-FP, ComponentLink1URL=http://tunmcdsvn.tun.st.com/Component_Datasheet_Library/Trunk/Connectors/TAG_Connector_TC2050-IDC-NLFP, Internal_Part_Number=MCD-00031, Part_Preference=Recommended, Part_Type=Connector, Status=Released
CN8 CN12 CN13 CN14 CN15: library part MCD-01668, "Header 2x1, 2.54mm, VR, TH, height 5.84mm/5.08 mm, height total 13.46 mm", Manufacturer=LYCONN, Manufacturer_Part_Number=313102S141346, ComponentLink1URL=http://tunmcdsvn.tun.st.com/Component_Datasheet_Library/Trunk/Connectors/LYCONN_31XXX_2.54mm_L13.46mm/LYCONN_31XXX_2.54mm_L13.46mm.pdf, Internal_Part_Number=MCD-01668, Part_Preference=Recommended, Part_Type=Connector, Status=Released
CN9: library part MCD-01592, "Header 6x1, 2,54mm, height 10.67mm", Alternate_Manufacturer=N/A, Manufacturer=SAMTEC, Manufacturer_Part_Number=TSW-106-14-G-S, Alternate_Manufacturer_Part_Number=N/A, ComponentLink1URL=http://tunmcdsvn.tun.st.com/Component_Datasheet_Library/Trunk/Connectors/Samtec_TSW-HTSW-series/Samtec_TSW-HTSW-series.pdf, Internal_Part_Number=MCD-01592, Order_Code_Digikey=SAM1053-06-ND, Order_Code_Farnell=2037181, Order_Code_RS=180-1121, Part_Preference=Recommended, Part_Type=Connector, Status=Checked
CN10: library part MCD-00032, "Header, 2x1, 2,54mm, VR, TH, Height 5.84mm/2.54mm", Alternate_Manufacturer=JIUBABA, Alternate_Manufacturer_Part_Number=313102S111116, Manufacturer=SAMTEC, Manufacturer_Part_Number=TSW-102-07-G-S, ComponentLink1URL=http://tunmcdsvn.tun.st.com/Component_Datasheet_Library/Trunk/Connectors/Samtec_TSW-HTSW-series, Internal_Part_Number=MCD-00032, Part_Preference=Recommended, Part_Type=Connector, Status=Released
CN16: library part MCD-01428, "Header, 2x1, 1.27mm, RA, TH, T=3.05mm/1.27mm", Manufacturer="W&P PRODUCTS", Manufacturer_Part_Number=707-2-02-2-20-00, Component_Country_Of_Origin=China, ComponentLink1URL=http://tunmcdsvn.tun.st.com/Component_Documentation_Library/Trunk/Connector/W&P_PRODUCTS_707_Series/, ID=3528, Internal_Part_Number=MCD-01428, Order_Code_Digikey=N/A, Order_Code_Farnell=N/A, Order_Code_RS=N/A, Part_Preference=Recommended, Part_Type=Connector, ShowFields=YES, Status=Checked
D1 D5 D6 D7: library part MCD-00034, Manufacturer=STMICROELECTRONICS, Manufacturer_HQ_COO=EU, BMS_Part_Number=9151097, ComponentLink1URL=http://tunmcdsvn.tun.st.com/Component_Datasheet_Library/Trunk/Diodes/STM_Diode_BAT60JFILM-SOD323, Internal_Part_Number=MCD-00034, Manufacturer_Part_Number=BAT60JFILM, Part_Preference=Recommended, Part_Type=Diode, Status=Released
D2 D3: library part MCD-01880, "ultrafast and RF switching diode, VF = 0.41 V @ IF = 1mA; VR = 70V;", Alternate_Manufacturer=N/A, Manufacturer=STMICROELECTRONICS, Manufacturer_HQ_COO=EU, Manufacturer_Part_Number=BAS70JFILM, Package=SOD-323, Alternate_Manufacturer_Part_Number=N/A, BMS_Part_Number=9151076, Component_Country_Of_Origin=China, ComponentLink1URL=http://tunmcdsvn.tun.st.com/Component_Datasheet_Library/Trunk/Diodes/STM_SCHOTTKY_BAS70JFILM, Internal_Part_Number=MCD-01880, Order_Code_Digikey=497-6652-1-ND, Order_Code_Farnell=9801413, Order_Code_RS=714-0486, Part_Preference=Recommended, Part_Type=Diode, Status=Released
HW6: library part MCD-00547, "Sticker product 25x9 mm", Alternate_Manufacturer=N/A, Alternate_Manufacturer_Part_Number=N/A, ComponentLink1URL=N/A, Internal_Part_Number=MCD-00547, Manufacturer=N/A, Manufacturer_Part_Number=N/A, Order_Code_Digikey=N/A, Order_Code_Farnell=N/A, Order_Code_RS=N/A, Package=N/A, Part_Preference=Recommended, Part_Type=Misc, Status=Released
HW7: library part MCD-00235, "Sticker Board 25x9 mm", Alternate_Manufacturer=N/A, Alternate_Manufacturer_Part_Number=N/A, ComponentLink1URL=N/A, Internal_Part_Number=MCD-00235, Manufacturer=N/A, Manufacturer_Part_Number=N/A, Order_Code_Digikey=N/A, Order_Code_Farnell=N/A, Order_Code_RS=N/A, Package=N/A, Part_Preference=Recommended, Part_Type=Misc, Status=Released
JP1 JP3 JP4 JP5: library part MCD-01904, "Header, 2x1, 2,54mm, VR, TH, Height 5.84mm/2.54mm - Shunt Fitted by default", Alternate_Manufacturer=N/A, Manufacturer=SAMTEC, Manufacturer_Part_Number=TSW-102-07-G-S, Alternate_Manufacturer_Part_Number=N/A, ComponentLink1URL=http://tunmcdsvn.tun.st.com/Component_Datasheet_Library/Trunk/Connectors/Samtec_TSW-HTSW-series, Internal_Part_Number=MCD-01904, Order_Code_Digikey=SAM1029-02-ND, Order_Code_Farnell=2505044, Order_Code_RS=155-7981, Part_Preference=Recommended, Part_Type=Connector, Status=Checked
JP2: library part MCD-02037, "Header, 4x2, 2,29mm, RA, TH, height 5,84mm", Alternate_Manufacturer=N/A, Manufacturer=SAMTEC, Manufacturer_Part_Number=TSW-104-08-F-D-RA, Alternate_Manufacturer_Part_Number=N/A, ComponentLink1URL=http://tunmcdsvn.tun.st.com/Component_Datasheet_Library/Trunk/Connectors/Samtec_TSW-HTSW-series/, Internal_Part_Number=MCD-02037, Order_Code_Digikey=SAM13034-ND, Order_Code_Farnell=2032652, Order_Code_RS=N/A, Part_Preference=Recommended, Part_Type=Connector, Status=Released
LD1: library part MCD-00322, "LED, Red, 0603", Manufacturer=EVERLIGHT, Manufacturer_Part_Number=19-217/R6C-AL1M2VY/3T, Package="LED 0603", ComponentLink1URL=http://tunmcdsvn.tun.st.com/Component_Datasheet_Library/Trunk/Display/Everlight_SMD-LED-RED_19-213-R6C-AP1Q2B-3T-V3.doc, Internal_Part_Number=MCD-00322, Part_Preference=Recommended, Part_Type=Display, Status=Released